# KiCad board ttaelgam.kicad_pcb
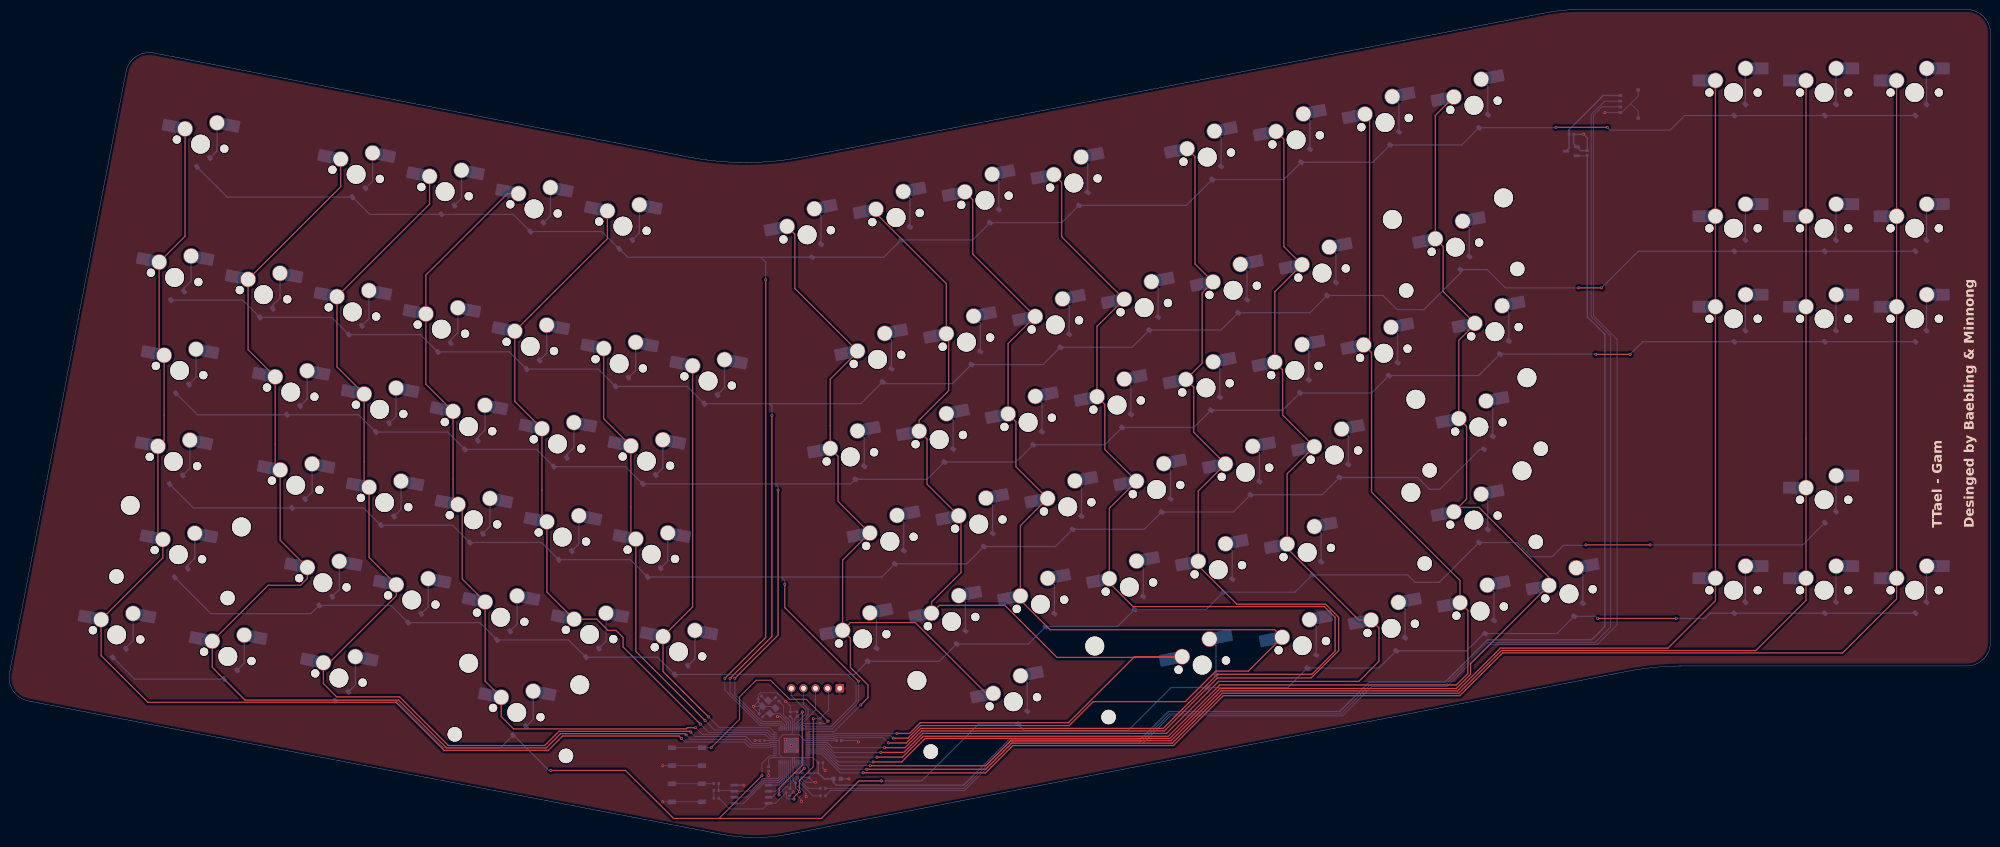
[diagram p0: board, top side]
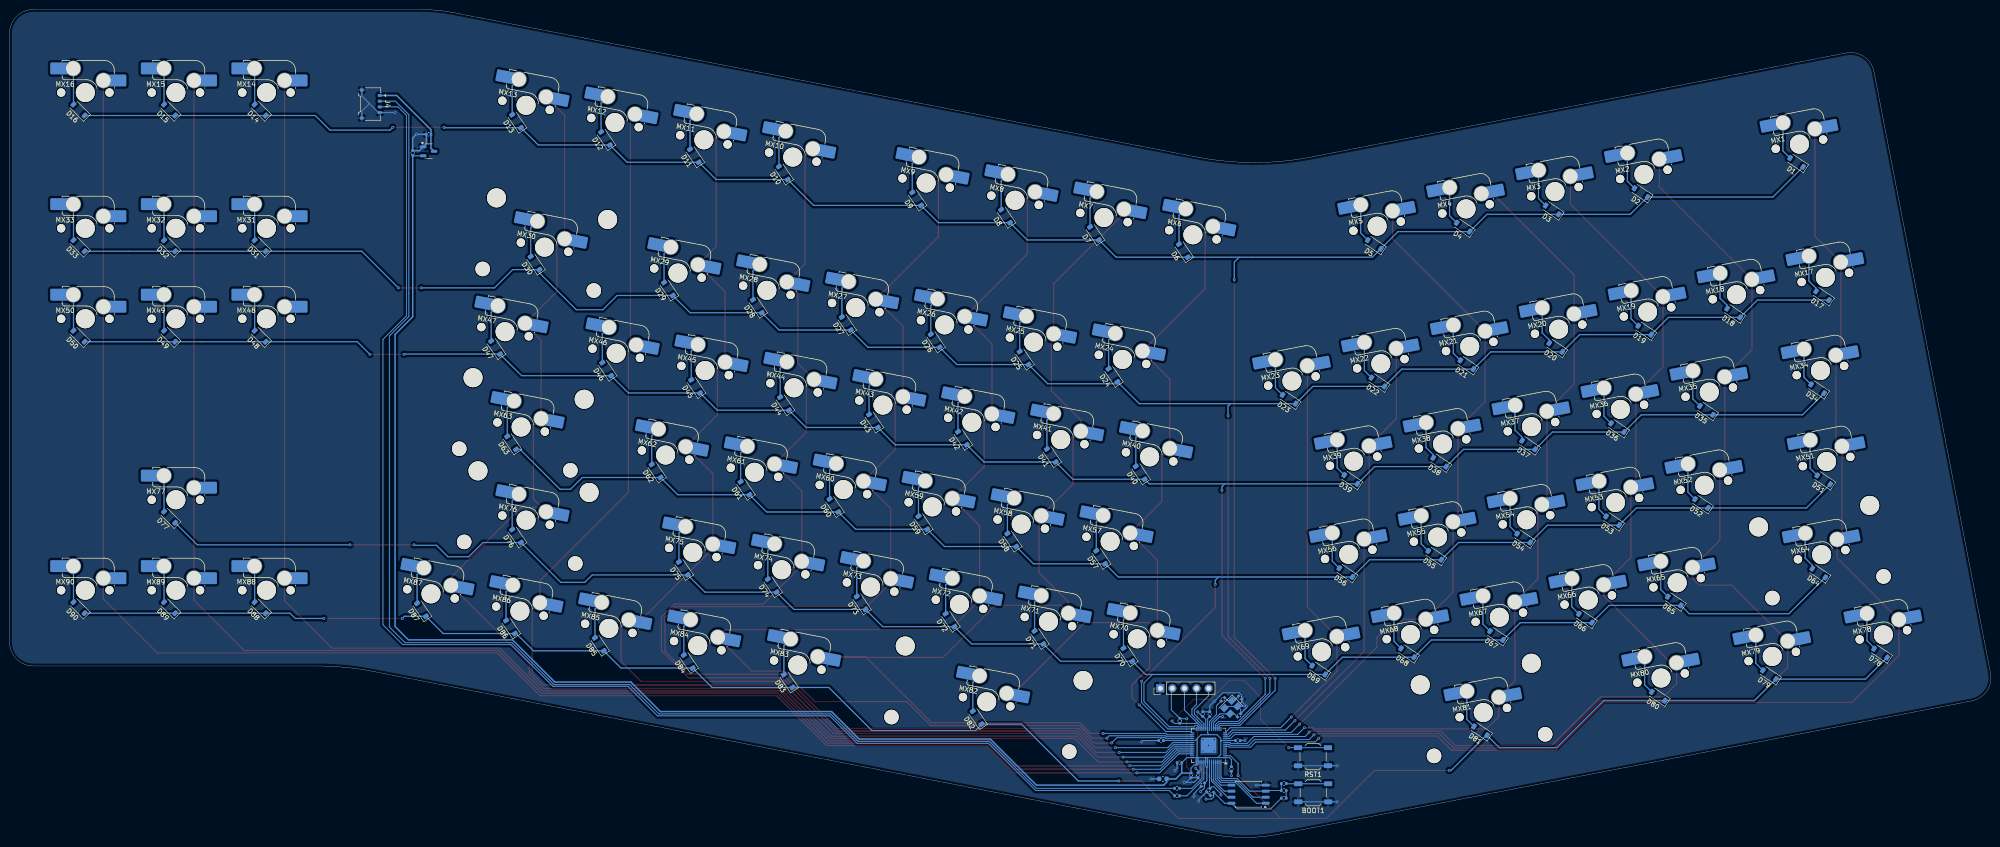
[diagram p1: board, bottom side, seen from below]

Outline 416.74 x 174.31 mm; copper layers: Top, Bottom. Coordinates in mm from the lower left corner of the outline.
Outline path: 0.09,34.62 24.59,161.2 arc(26.7,164.39) 30.46,165.16 142.91,143.26 arc(154.94,142.1) 166.98,143.25 323.24,173.63 arc(326.76,174.14) 330.31,174.31 411.74,174.31 arc(415.28,172.85) 416.74,169.31 416.74,41.11 arc(415.28,37.58) 411.74,36.11 352.21,36.11 arc(346.17,35.82) 340.18,34.95 163.97,0.68 arc(156.94,0) 149.91,0.67 7.34,28.11 4.04,28.76 arc(0.85,30.87) 0.09,34.62
Stack: Top 0.035mm / dielectric 1.51mm FR4 er 4.5 / Bottom 0.035mm

## Placement (name value [footprint] x y rotation side)
BOOT1  SW_Push  [SW_SPST_TL3342]  142.54 9.41 0 bottom
C1  1u  [C_0402_1005Metric]  328.58 148.03 0 bottom
C2  1u  [C_0402_1005Metric]  331.94 144.11 90 bottom
C3  1u  [C_0402_1005Metric]  166.75 13.09 270 bottom
C4  100n  [C_0402_1005Metric]  164.6 9.97 315 bottom
C5  1u  [C_0402_1005Metric]  163.8 9.17 315 bottom
C6  22p  [C_0402_1005Metric]  158.14 25.71 315 bottom
C7  22p  [C_0402_1005Metric]  157.91 29.46 45 bottom
C8  10u  [C_0603_1608Metric]  174.15 12.34 0 bottom
C9  1u  [C_0402_1005Metric]  170.68 15.74 0 bottom
C10  100n  [C_0402_1005Metric]  159.75 14.42 270 bottom
C11  100n  [C_0402_1005Metric]  165.75 11.12 315 bottom
C12  100n  [C_0402_1005Metric]  158.39 20.42 180 bottom
C13  100n  [C_0402_1005Metric]  174.54 20.41 0 bottom
C14  100n  [C_0402_1005Metric]  168.25 13.09 270 bottom
C15  100n  [C_0402_1005Metric]  164.3 25.97 90 bottom
C16  100n  [C_0402_1005Metric]  165.78 25.99 90 bottom
D1  D_Small  [D_SOD-123]  40.87 142.12 34 bottom
D2  D_Small  [D_SOD-123]  73.59 135.75 34 bottom
D3  D_Small  [D_SOD-123]  92.29 132.12 34 bottom
D4  D_Small  [D_SOD-123]  110.99 128.48 34 bottom
D5  D_Small  [D_SOD-123]  129.69 124.85 34 bottom
D6  D_Small  [D_SOD-123]  169.85 123.53 56 bottom
D7  D_Small  [D_SOD-123]  188.55 127.17 56 bottom
D8  D_Small  [D_SOD-123]  207.25 130.8 56 bottom
D9  D_Small  [D_SOD-123]  225.95 134.44 56 bottom
D10  D_Small  [D_SOD-123]  254 139.89 56 bottom
D11  D_Small  [D_SOD-123]  272.7 143.53 56 bottom
D12  D_Small  [D_SOD-123]  291.4 147.16 56 bottom
D13  D_Small  [D_SOD-123]  310.1 150.8 56 bottom
D14  D_Small  [D_SOD-123]  364.02 153.16 45 bottom
D15  D_Small  [D_SOD-123]  383.07 153.16 45 bottom
D16  D_Small  [D_SOD-123]  402.12 153.16 45 bottom
D17  D_Small  [D_SOD-123]  35.42 114.07 34 bottom
D18  D_Small  [D_SOD-123]  54.12 110.43 34 bottom
D19  D_Small  [D_SOD-123]  72.82 106.8 34 bottom
D20  D_Small  [D_SOD-123]  91.52 103.16 34 bottom
D21  D_Small  [D_SOD-123]  110.22 99.53 34 bottom
D22  D_Small  [D_SOD-123]  128.92 95.89 34 bottom
D23  D_Small  [D_SOD-123]  147.62 92.26 34 bottom
D24  D_Small  [D_SOD-123]  184.65 97.3 56 bottom
D25  D_Small  [D_SOD-123]  203.35 100.94 56 bottom
D26  D_Small  [D_SOD-123]  222.05 104.57 56 bottom
D27  D_Small  [D_SOD-123]  240.75 108.21 56 bottom
D28  D_Small  [D_SOD-123]  259.45 111.84 56 bottom
D29  D_Small  [D_SOD-123]  278.15 115.48 56 bottom
D30  D_Small  [D_SOD-123]  306.2 120.93 56 bottom
D31  D_Small  [D_SOD-123]  364.02 124.59 45 bottom
D32  D_Small  [D_SOD-123]  383.07 124.59 45 bottom
D33  D_Small  [D_SOD-123]  402.12 124.59 45 bottom
D34  D_Small  [D_SOD-123]  36.46 94.46 34 bottom
D35  D_Small  [D_SOD-123]  59.83 89.91 34 bottom
D36  D_Small  [D_SOD-123]  78.53 86.28 34 bottom
D37  D_Small  [D_SOD-123]  97.23 82.64 34 bottom
D38  D_Small  [D_SOD-123]  115.93 79.01 34 bottom
D39  D_Small  [D_SOD-123]  134.63 75.37 34 bottom
D40  D_Small  [D_SOD-123]  178.93 76.78 56 bottom
D41  D_Small  [D_SOD-123]  197.63 80.42 56 bottom
D42  D_Small  [D_SOD-123]  216.33 84.05 56 bottom
D43  D_Small  [D_SOD-123]  235.03 87.69 56 bottom
D44  D_Small  [D_SOD-123]  253.73 91.32 56 bottom
D45  D_Small  [D_SOD-123]  272.43 94.96 56 bottom
D46  D_Small  [D_SOD-123]  291.13 98.59 56 bottom
D47  D_Small  [D_SOD-123]  314.51 103.14 56 bottom
D48  D_Small  [D_SOD-123]  364.02 105.54 45 bottom
D49  D_Small  [D_SOD-123]  383.07 105.54 45 bottom
D50  D_Small  [D_SOD-123]  402.12 105.54 45 bottom
D51  D_Small  [D_SOD-123]  35.16 75.3 34 bottom
D52  D_Small  [D_SOD-123]  60.87 70.3 34 bottom
D53  D_Small  [D_SOD-123]  79.57 66.67 34 bottom
D54  D_Small  [D_SOD-123]  98.27 63.03 34 bottom
D55  D_Small  [D_SOD-123]  116.97 59.4 34 bottom
D56  D_Small  [D_SOD-123]  135.67 55.76 34 bottom
D57  D_Small  [D_SOD-123]  187.24 58.99 56 bottom
D58  D_Small  [D_SOD-123]  205.94 62.63 56 bottom
D59  D_Small  [D_SOD-123]  224.64 66.26 56 bottom
D60  D_Small  [D_SOD-123]  243.34 69.9 56 bottom
D61  D_Small  [D_SOD-123]  262.04 73.53 56 bottom
D62  D_Small  [D_SOD-123]  280.74 77.17 56 bottom
D63  D_Small  [D_SOD-123]  311.13 83.07 56 bottom
D64  D_Small  [D_SOD-123]  36.2 55.69 34 bottom
D65  D_Small  [D_SOD-123]  66.59 49.79 34 bottom
D66  D_Small  [D_SOD-123]  85.29 46.15 34 bottom
D67  D_Small  [D_SOD-123]  103.99 42.52 34 bottom
D68  D_Small  [D_SOD-123]  122.69 38.88 34 bottom
D69  D_Small  [D_SOD-123]  141.39 35.25 34 bottom
D70  D_Small  [D_SOD-123]  181.53 38.48 56 bottom
D71  D_Small  [D_SOD-123]  200.23 42.11 56 bottom
D72  D_Small  [D_SOD-123]  218.93 45.75 56 bottom
D73  D_Small  [D_SOD-123]  237.63 49.38 56 bottom
D74  D_Small  [D_SOD-123]  256.33 53.02 56 bottom
D75  D_Small  [D_SOD-123]  275.03 56.65 56 bottom
D76  D_Small  [D_SOD-123]  310.09 63.47 56 bottom
D77  D_Small  [D_SOD-123]  383.07 67.44 45 bottom
D78  D_Small  [D_SOD-123]  23.21 38.81 34 bottom
D79  D_Small  [D_SOD-123]  46.59 34.27 34 bottom
D80  D_Small  [D_SOD-123]  69.96 29.72 34 bottom
D81  D_Small  [D_SOD-123]  107.36 22.45 34 bottom
D82  D_Small  [D_SOD-123]  213.21 25.23 56 bottom
D83  D_Small  [D_SOD-123]  252.95 32.95 56 bottom
D84  D_Small  [D_SOD-123]  273.99 37.04 56 bottom
D85  D_Small  [D_SOD-123]  292.69 40.68 56 bottom
D86  D_Small  [D_SOD-123]  311.39 44.31 56 bottom
D87  D_Small  [D_SOD-123]  330.09 47.95 56 bottom
D88  D_Small  [D_SOD-123]  364.02 48.39 45 bottom
D89  D_Small  [D_SOD-123]  383.07 48.39 45 bottom
D90  D_Small  [D_SOD-123]  402.12 48.39 45 bottom
J3  Conn_01x05  [PinHeader_1x05_P2.54mm_Vertical]  174.7 31.41 90 bottom
J4  78171-0004  [Molex_Pico-EZmate_78171-0004_1x04-1MP_P1.20mm_Vertical]  340.74 154.41 270 bottom
MX1  MX_SW_HS  [SW_MX_HS_CPG151101S11_1u]  40.27 145.97 169 bottom
MX2  MX_SW_HS  [SW_MX_HS_CPG151101S11_1u]  73 139.61 169 bottom
MX3  MX_SW_HS  [SW_MX_HS_CPG151101S11_1u]  91.7 135.97 169 bottom
MX4  MX_SW_HS  [SW_MX_HS_CPG151101S11_1u]  110.4 132.34 169 bottom
MX5  MX_SW_HS  [SW_MX_HS_CPG151101S11_1u]  129.1 128.7 169 bottom
MX6  MX_SW_HS  [SW_MX_HS_CPG151101S11_1u]  167.85 126.88 191 bottom
MX7  MX_SW_HS  [SW_MX_HS_CPG151101S11_1u]  186.55 130.52 191 bottom
MX8  MX_SW_HS  [SW_MX_HS_CPG151101S11_1u]  205.25 134.15 191 bottom
MX9  MX_SW_HS  [SW_MX_HS_CPG151101S11_1u]  223.95 137.79 191 bottom
MX10  MX_SW_HS  [SW_MX_HS_CPG151101S11_1u]  252 143.24 191 bottom
MX11  MX_SW_HS  [SW_MX_HS_CPG151101S11_1u]  270.7 146.88 191 bottom
MX12  MX_SW_HS  [SW_MX_HS_CPG151101S11_1u]  289.4 150.51 191 bottom
MX13  MX_SW_HS  [SW_MX_HS_CPG151101S11_1u]  308.1 154.15 191 bottom
MX14  MX_SW_HS  [SW_MX_HS_CPG151101S11_1u]  362.7 156.83 180 bottom
MX15  MX_SW_HS  [SW_MX_HS_CPG151101S11_1u]  381.75 156.83 180 bottom
MX16  MX_SW_HS  [SW_MX_HS_CPG151101S11_1u]  400.8 156.83 180 bottom
MX17  MX_SW_HS  [SW_MX_HS_CPG151101S11_1u]  34.82 117.92 169 bottom
MX18  MX_SW_HS  [SW_MX_HS_CPG151101S11_1u]  53.52 114.28 169 bottom
MX19  MX_SW_HS  [SW_MX_HS_CPG151101S11_1u]  72.22 110.65 169 bottom
MX20  MX_SW_HS  [SW_MX_HS_CPG151101S11_1u]  90.92 107.01 169 bottom
MX21  MX_SW_HS  [SW_MX_HS_CPG151101S11_1u]  109.62 103.38 169 bottom
MX22  MX_SW_HS  [SW_MX_HS_CPG151101S11_1u]  128.32 99.74 169 bottom
MX23  MX_SW_HS  [SW_MX_HS_CPG151101S11_1u]  147.02 96.11 169 bottom
MX24  MX_SW_HS  [SW_MX_HS_CPG151101S11_1u]  182.65 100.65 191 bottom
MX25  MX_SW_HS  [SW_MX_HS_CPG151101S11_1u]  201.35 104.29 191 bottom
MX26  MX_SW_HS  [SW_MX_HS_CPG151101S11_1u]  220.05 107.92 191 bottom
MX27  MX_SW_HS  [SW_MX_HS_CPG151101S11_1u]  238.75 111.56 191 bottom
MX28  MX_SW_HS  [SW_MX_HS_CPG151101S11_1u]  257.45 115.19 191 bottom
MX29  MX_SW_HS  [SW_MX_HS_CPG151101S11_1u]  276.15 118.83 191 bottom
MX30  MX_SW_HS  [SW_MX_HS_CPG151101S11_1u]  304.2 124.28 191 bottom
MX31  MX_SW_HS  [SW_MX_HS_CPG151101S11_1u]  362.7 128.25 180 bottom
MX32  MX_SW_HS  [SW_MX_HS_CPG151101S11_1u]  381.75 128.25 180 bottom
MX33  MX_SW_HS  [SW_MX_HS_CPG151101S11_1u]  400.8 128.25 180 bottom
MX34  MX_SW_HS  [SW_MX_HS_CPG151101S11_1.5u]  35.86 98.31 169 bottom
MX35  MX_SW_HS  [SW_MX_HS_CPG151101S11_1u]  59.24 93.76 169 bottom
MX36  MX_SW_HS  [SW_MX_HS_CPG151101S11_1u]  77.94 90.13 169 bottom
MX37  MX_SW_HS  [SW_MX_HS_CPG151101S11_1u]  96.64 86.5 169 bottom
MX38  MX_SW_HS  [SW_MX_HS_CPG151101S11_1u]  115.34 82.86 169 bottom
MX39  MX_SW_HS  [SW_MX_HS_CPG151101S11_1u]  134.04 79.23 169 bottom
MX40  MX_SW_HS  [SW_MX_HS_CPG151101S11_1u]  176.94 80.13 191 bottom
MX41  MX_SW_HS  [SW_MX_HS_CPG151101S11_1u]  195.64 83.77 191 bottom
MX42  MX_SW_HS  [SW_MX_HS_CPG151101S11_1u]  214.34 87.4 191 bottom
MX43  MX_SW_HS  [SW_MX_HS_CPG151101S11_1u]  233.04 91.04 191 bottom
MX44  MX_SW_HS  [SW_MX_HS_CPG151101S11_1u]  251.74 94.67 191 bottom
MX45  MX_SW_HS  [SW_MX_HS_CPG151101S11_1u]  270.44 98.31 191 bottom
MX46  MX_SW_HS  [SW_MX_HS_CPG151101S11_1u]  289.14 101.94 191 bottom
MX47  MX_SW_HS  [SW_MX_HS_CPG151101S11_1.5u]  312.51 106.49 191 bottom
MX48  MX_SW_HS  [SW_MX_HS_CPG151101S11_1u]  362.7 109.2 180 bottom
MX49  MX_SW_HS  [SW_MX_HS_CPG151101S11_1u]  381.75 109.2 180 bottom
MX50  MX_SW_HS  [SW_MX_HS_CPG151101S11_1u]  400.8 109.2 180 bottom
MX51  MX_SW_HS  [SW_MX_HS_CPG151101S11_1.75u_STP_1.25]  34.56 79.15 169 bottom
MX52  MX_SW_HS  [SW_MX_HS_CPG151101S11_1u]  60.28 74.16 169 bottom
MX53  MX_SW_HS  [SW_MX_HS_CPG151101S11_1u]  78.98 70.52 169 bottom
MX54  MX_SW_HS  [SW_MX_HS_CPG151101S11_1u]  97.68 66.89 169 bottom
MX55  MX_SW_HS  [SW_MX_HS_CPG151101S11_1u]  116.38 63.25 169 bottom
MX56  MX_SW_HS  [SW_MX_HS_CPG151101S11_1u]  135.08 59.62 169 bottom
MX57  MX_SW_HS  [SW_MX_HS_CPG151101S11_1u]  185.25 62.34 191 bottom
MX58  MX_SW_HS  [SW_MX_HS_CPG151101S11_1u]  203.95 65.98 191 bottom
MX59  MX_SW_HS  [SW_MX_HS_CPG151101S11_1u]  222.65 69.61 191 bottom
MX60  MX_SW_HS  [SW_MX_HS_CPG151101S11_1u]  241.35 73.25 191 bottom
MX61  MX_SW_HS  [SW_MX_HS_CPG151101S11_1u]  260.05 76.88 191 bottom
MX62  MX_SW_HS  [SW_MX_HS_CPG151101S11_1u]  278.75 80.52 191 bottom
MX63  MX_SW_HS  [SW_MX_HS_CPG151101S11_1u]  309.14 86.42 191 bottom
MX64  MX_SW_HS  [SW_MX_HS_CPG151101S11_1u]  35.6 59.55 169 bottom
MX65  MX_SW_HS  [SW_MX_HS_CPG151101S11_1u]  65.99 53.64 169 bottom
MX66  MX_SW_HS  [SW_MX_HS_CPG151101S11_1u]  84.69 50 169 bottom
MX67  MX_SW_HS  [SW_MX_HS_CPG151101S11_1u]  103.39 46.37 169 bottom
MX68  MX_SW_HS  [SW_MX_HS_CPG151101S11_1u]  122.09 42.73 169 bottom
MX69  MX_SW_HS  [SW_MX_HS_CPG151101S11_1u]  140.79 39.1 169 bottom
MX70  MX_SW_HS  [SW_MX_HS_CPG151101S11_1u]  179.53 41.83 191 bottom
MX71  MX_SW_HS  [SW_MX_HS_CPG151101S11_1u]  198.23 45.46 191 bottom
MX72  MX_SW_HS  [SW_MX_HS_CPG151101S11_1u]  216.93 49.1 191 bottom
MX73  MX_SW_HS  [SW_MX_HS_CPG151101S11_1u]  235.63 52.73 191 bottom
MX74  MX_SW_HS  [SW_MX_HS_CPG151101S11_1u]  254.33 56.36 191 bottom
MX75  MX_SW_HS  [SW_MX_HS_CPG151101S11_1u]  273.03 60 191 bottom
MX76  MX_SW_HS  [SW_MX_HS_CPG151101S11_1u]  308.1 66.82 191 bottom
MX77  MX_SW_HS  [SW_MX_HS_CPG151101S11_1u]  381.75 71.1 180 bottom
MX78  MX_SW_HS  [SW_MX_HS_CPG151101S11_1.25u]  22.62 42.66 169 bottom
MX79  MX_SW_HS  [SW_MX_HS_CPG151101S11_1.25u]  45.99 38.12 169 bottom
MX80  MX_SW_HS  [SW_MX_HS_CPG151101S11_1.25u]  69.37 33.58 169 bottom
MX81  MX_SW_HS  [SW_MX_HS_CPG151101S11_1u]  106.77 26.31 169 bottom
MX82  MX_SW_HS  [SW_MX_HS_CPG151101S11_1u]  211.22 28.58 191 bottom
MX83  MX_SW_HS  [SW_MX_HS_CPG151101S11_1.25u]  250.96 36.3 191 bottom
MX84  MX_SW_HS  [SW_MX_HS_CPG151101S11_1u]  271.99 40.39 191 bottom
MX85  MX_SW_HS  [SW_MX_HS_CPG151101S11_1u]  290.69 44.03 191 bottom
MX86  MX_SW_HS  [SW_MX_HS_CPG151101S11_1u]  309.39 47.66 191 bottom
MX87  MX_SW_HS  [SW_MX_HS_CPG151101S11_1u]  328.09 51.3 191 bottom
MX88  MX_SW_HS  [SW_MX_HS_CPG151101S11_1u]  362.7 52.05 180 bottom
MX89  MX_SW_HS  [SW_MX_HS_CPG151101S11_1u]  381.75 52.05 180 bottom
MX90  MX_SW_HS  [SW_MX_HS_CPG151101S11_1u]  400.8 52.05 180 bottom
R3  5.1k  [R_0402_1005Metric]  148.73 8.29 0 bottom
R4  5.1k  [R_0402_1005Metric]  170.6 24.57 90 bottom
R5  5.1k  [R_0402_1005Metric]  148.73 9.89 180 bottom
R6  1k  [R_0402_1005Metric]  148.73 11.36 0 bottom
R7  27  [R_0402_1005Metric]  171.18 8.77 0 bottom
R8  27  [R_0402_1005Metric]  171.18 10.35 180 bottom
R9  1k  [R_0402_1005Metric]  161.53 29.09 315 bottom
RST1  SW_Push  [SW_SPST_TL3342]  142.58 17.01 0 bottom
S30  MX_stab  [STAB_MX_2u]  304.2 124.28 191 top
S63  MX_stab  [STAB_MX_2.25u]  309.14 86.42 191 top
S64  MX_stab  [STAB_MX_2.25u]  35.6 59.55 169 top
S76  MX_stab  [STAB_MX_2.75u]  308.1 66.82 191 top
S81  MX_stab  [STAB_MX_2.75u]  106.77 26.31 169 top
S82  MX_stab  [STAB_MX_3u]  211.22 28.58 191 top
U1  XC6206PxxxMR  [SOT-23-3]  328.59 144.46 180 bottom
U2  RP2040  [QFN-56-1EP_7x7mm_P0.4mm_EP3.2x3.2mm]  164.54 19.41 0 bottom
U4  W25Q128JVS  [SOIC-8_5.23x5.23mm_P1.27mm]  156.13 9.12 0 bottom
Y1  Crystal_GND24  [Crystal_SMD_3225-4Pin_3.2x2.5mm]  159.83 27.44 315 bottom

## Library data of the parts
BOOT1 RST1 = -: Description: Push button switch, generic, two pins
C1-C16 = -: Description: Unpolarized capacitor, small symbol; ki_fp_filters: C_*
D1-D90 = -: Description: Diode, small symbol; Sim.Device: D; Sim.Pins: 1=K 2=A; ki_fp_filters: TO-???* *_Diode_* *SingleDiode* D_*
J3 = -: Description: Generic connector, single row, 01x05, script generated (kicad-library-utils/schlib/autogen/connector/); ki_fp_filters: Connector*:*_1x??_*
J4 = -: Manufacturer: MOLEX; LCSC Part Number: C588524; ki_fp_filters: Connector*:*_1x??-1MP*
MX1-MX90 = -: Description: Push button switch, normally open, two pins, 45° tilted, Kailh CPG151101S11 for Cherry MX style switches
R3-R9 = -: Description: Resistor, small symbol; ki_fp_filters: R_*
S30 S63 S64 S76 S81 S82 = -: Description: Cherry MX-style stabilizer
U1 = -: Datasheet: https://www.torexsemi.com/file/xc6206/XC6206.pdf; Description: Positive 60-250mA Low Dropout Regulator, Fixed Output, SOT-23; ki_fp_filters: SOT?23?3*
U2 = -: Datasheet: https://datasheets.raspberrypi.com/rp2040/rp2040-datasheet.pdf; Description: A microcontroller by Raspberry Pi; ki_fp_filters: QFN*1EP*7x7mm?P0.4mm*
U4 = -: Datasheet: http://www.winbond.com/resource-files/w25q128jv_dtr%20revc%2003272018%20plus.pdf; Description: 128Mb Serial Flash Memory, Standard/Dual/Quad SPI, SOIC-8; ki_fp_filters: SOIC*5.23x5.23mm*P1.27mm*
Y1 = -: Description: Four pin crystal, GND on pins 2 and 4; ki_fp_filters: Crystal*

## Footprints (pads in the part's own frame, mm; a bottom-side part is the same pattern mirrored in y, then rotated)
C_0402_1005Metric
  rrect 0.56x0.62 smd: 1(-0.48,0) 2(0.48,0)
C_0603_1608Metric
  rrect 0.9x0.95 smd: 1(-0.775,0) 2(0.775,0)
Crystal_SMD_3225-4Pin_3.2x2.5mm
  rect 1.4x1.2 smd: 1(-1.1,-0.85) 2(1.1,-0.85) 3(1.1,0.85) 4(-1.1,0.85)
D_SOD-123
  rrect 0.9x1.2 smd: 1(-1.65,0) 2(1.65,0)
Molex_Pico-EZmate_78171-0004_1x04-1MP_P1.20mm_Vertical
  rrect 0.6x0.85 smd: 1(-1.8,1.875) 2(-0.6,1.875) 3(0.6,1.875) 4(1.8,1.875)
  rrect 0.7x0.8 smd: MP(-2.95,-1.9) MP(2.95,-1.9)
PinHeader_1x05_P2.54mm_Vertical
  rect 1.7x1.7 hole 1: 1(0,0)
  oval 1.7x1.7 hole 1: 2(0,-2.54) 3(0,-5.08) 4(0,-7.62) 5(0,-10.16)
QFN-56-1EP_7x7mm_P0.4mm_EP3.2x3.2mm
  rrect 1.29x1.29 smd: (-0.8,-0.8) (-0.8,0.8) (0.8,-0.8) (0.8,0.8)
  rrect 0.875x0.2 smd: 1(-3.438,2.6) 2(-3.438,2.2) 3(-3.438,1.8) 4(-3.438,1.4) 5(-3.438,1) 6(-3.438,0.6) 7(-3.438,0.2) 8(-3.438,-0.2) 9(-3.438,-0.6) 10(-3.438,-1) 11(-3.438,-1.4) 12(-3.438,-1.8) 13(-3.438,-2.2) 14(-3.438,-2.6) 29(3.438,-2.6) 30(3.438,-2.2) 31(3.438,-1.8) 32(3.438,-1.4) 33(3.438,-1) 34(3.438,-0.6) 35(3.438,-0.2) 36(3.438,0.2) 37(3.438,0.6) 38(3.438,1) 39(3.438,1.4) 40(3.438,1.8) 41(3.438,2.2) 42(3.438,2.6)
  rrect 0.2x0.875 smd: 15(-2.6,-3.438) 16(-2.2,-3.438) 17(-1.8,-3.438) 18(-1.4,-3.438) 19(-1,-3.438) 20(-0.6,-3.438) 21(-0.2,-3.438) 22(0.2,-3.438) 23(0.6,-3.438) 24(1,-3.438) 25(1.4,-3.438) 26(1.8,-3.438) 27(2.2,-3.438) 28(2.6,-3.438) 43(2.6,3.438) 44(2.2,3.438) 45(1.8,3.438) 46(1.4,3.438) 47(1,3.438) 48(0.6,3.438) 49(0.2,3.438) 50(-0.2,3.438) 51(-0.6,3.438) 52(-1,3.438) 53(-1.4,3.438) 54(-1.8,3.438) 55(-2.2,3.438) 56(-2.6,3.438)
  rect 3.2x3.2 smd: 57(0,0)
R_0402_1005Metric
  rrect 0.54x0.64 smd: 1(-0.51,0) 2(0.51,0)
SOIC-8_5.23x5.23mm_P1.27mm
  rrect 1.6x0.6 smd: 1(-3.6,1.905) 2(-3.6,0.635) 3(-3.6,-0.635) 4(-3.6,-1.905) 5(3.6,-1.905) 6(3.6,-0.635) 7(3.6,0.635) 8(3.6,1.905)
SOT-23-3
  rrect 1.325x0.6 smd: 1(-1.137,0.95) 2(-1.137,-0.95) 3(1.137,0)
STAB_MX_2.25u
  round 3.048 hole 3.048 unplated: (-11.906,6.985) (11.906,6.985)
  round 3.988 hole 3.988 unplated: (-11.906,-8.255) (11.906,-8.255)
STAB_MX_2.75u
  round 3.048 hole 3.048 unplated: (-11.906,6.985) (11.906,6.985)
  round 3.988 hole 3.988 unplated: (-11.906,-8.255) (11.906,-8.255)
STAB_MX_2u
  round 3.048 hole 3.048 unplated: (-11.906,6.985) (11.906,6.985)
  round 3.988 hole 3.988 unplated: (-11.906,-8.255) (11.906,-8.255)
STAB_MX_3u
  round 3.048 hole 3.048 unplated: (-19.05,6.985) (19.05,6.985)
  round 3.988 hole 3.988 unplated: (-19.05,-8.255) (19.05,-8.255)
SW_MX_HS_CPG151101S11_1.5u
  round 1.75 hole 1.75 unplated: (-5.08,0) (5.08,0)
  round 3.988 hole 3.988 unplated: (0,0)
  round 3.3 hole 3: 1(3.81,2.54) 2(-2.54,5.08)
  rect 1.65x2.5 smd: 1(5.635,2.54) 2(-4.34,5.08)
  rrect 2.55x2.5 smd: 1(7.36,2.54) 2(-6.09,5.08)
SW_MX_HS_CPG151101S11_1.25u
  round 1.75 hole 1.75 unplated: (-5.08,0) (5.08,0)
  round 3.988 hole 3.988 unplated: (0,0)
  round 3.3 hole 3: 1(3.81,2.54) 2(-2.54,5.08)
  rect 1.65x2.5 smd: 1(5.635,2.54) 2(-4.34,5.08)
  rrect 2.55x2.5 smd: 1(7.36,2.54) 2(-6.09,5.08)
SW_MX_HS_CPG151101S11_1.75u_STP_1.25
  round 1.75 hole 1.75 unplated: (-5.08,0) (5.08,0)
  round 3.988 hole 3.988 unplated: (0,0)
  round 3.3 hole 3: 1(3.81,2.54) 2(-2.54,5.08)
  rect 1.65x2.5 smd: 1(5.635,2.54) 2(-4.34,5.08)
  rrect 2.55x2.5 smd: 1(7.36,2.54) 2(-6.09,5.08)
SW_MX_HS_CPG151101S11_1u
  round 1.75 hole 1.75 unplated: (-5.08,0) (5.08,0)
  round 3.988 hole 3.988 unplated: (0,0)
  round 3.3 hole 3: 1(3.81,2.54) 2(-2.54,5.08)
  rect 1.65x2.5 smd: 1(5.635,2.54) 2(-4.34,5.08)
  rrect 2.55x2.5 smd: 1(7.36,2.54) 2(-6.09,5.08)
SW_SPST_TL3342
  rect 1.7x1 smd: 1(-3.15,1.9) 1(3.15,1.9) 2(-3.15,-1.9) 2(3.15,-1.9)
